# Altium PCB pcb_v1.PcbDoc (part 3 of 5)
Units mil, origin at the board's own origin, x right, y up, seen from the top; angles counter-clockwise.
Board outline 2527.56 x 5177.17 mil, 4 copper layers (L1 SIG, L2 SIG, L3 SIG, L4 SIG), stack 61.583 mil thick; 290 components, 207 nets, 1103 pads, 2427 vias.
Unrouted connection lines stored in the file: 255.
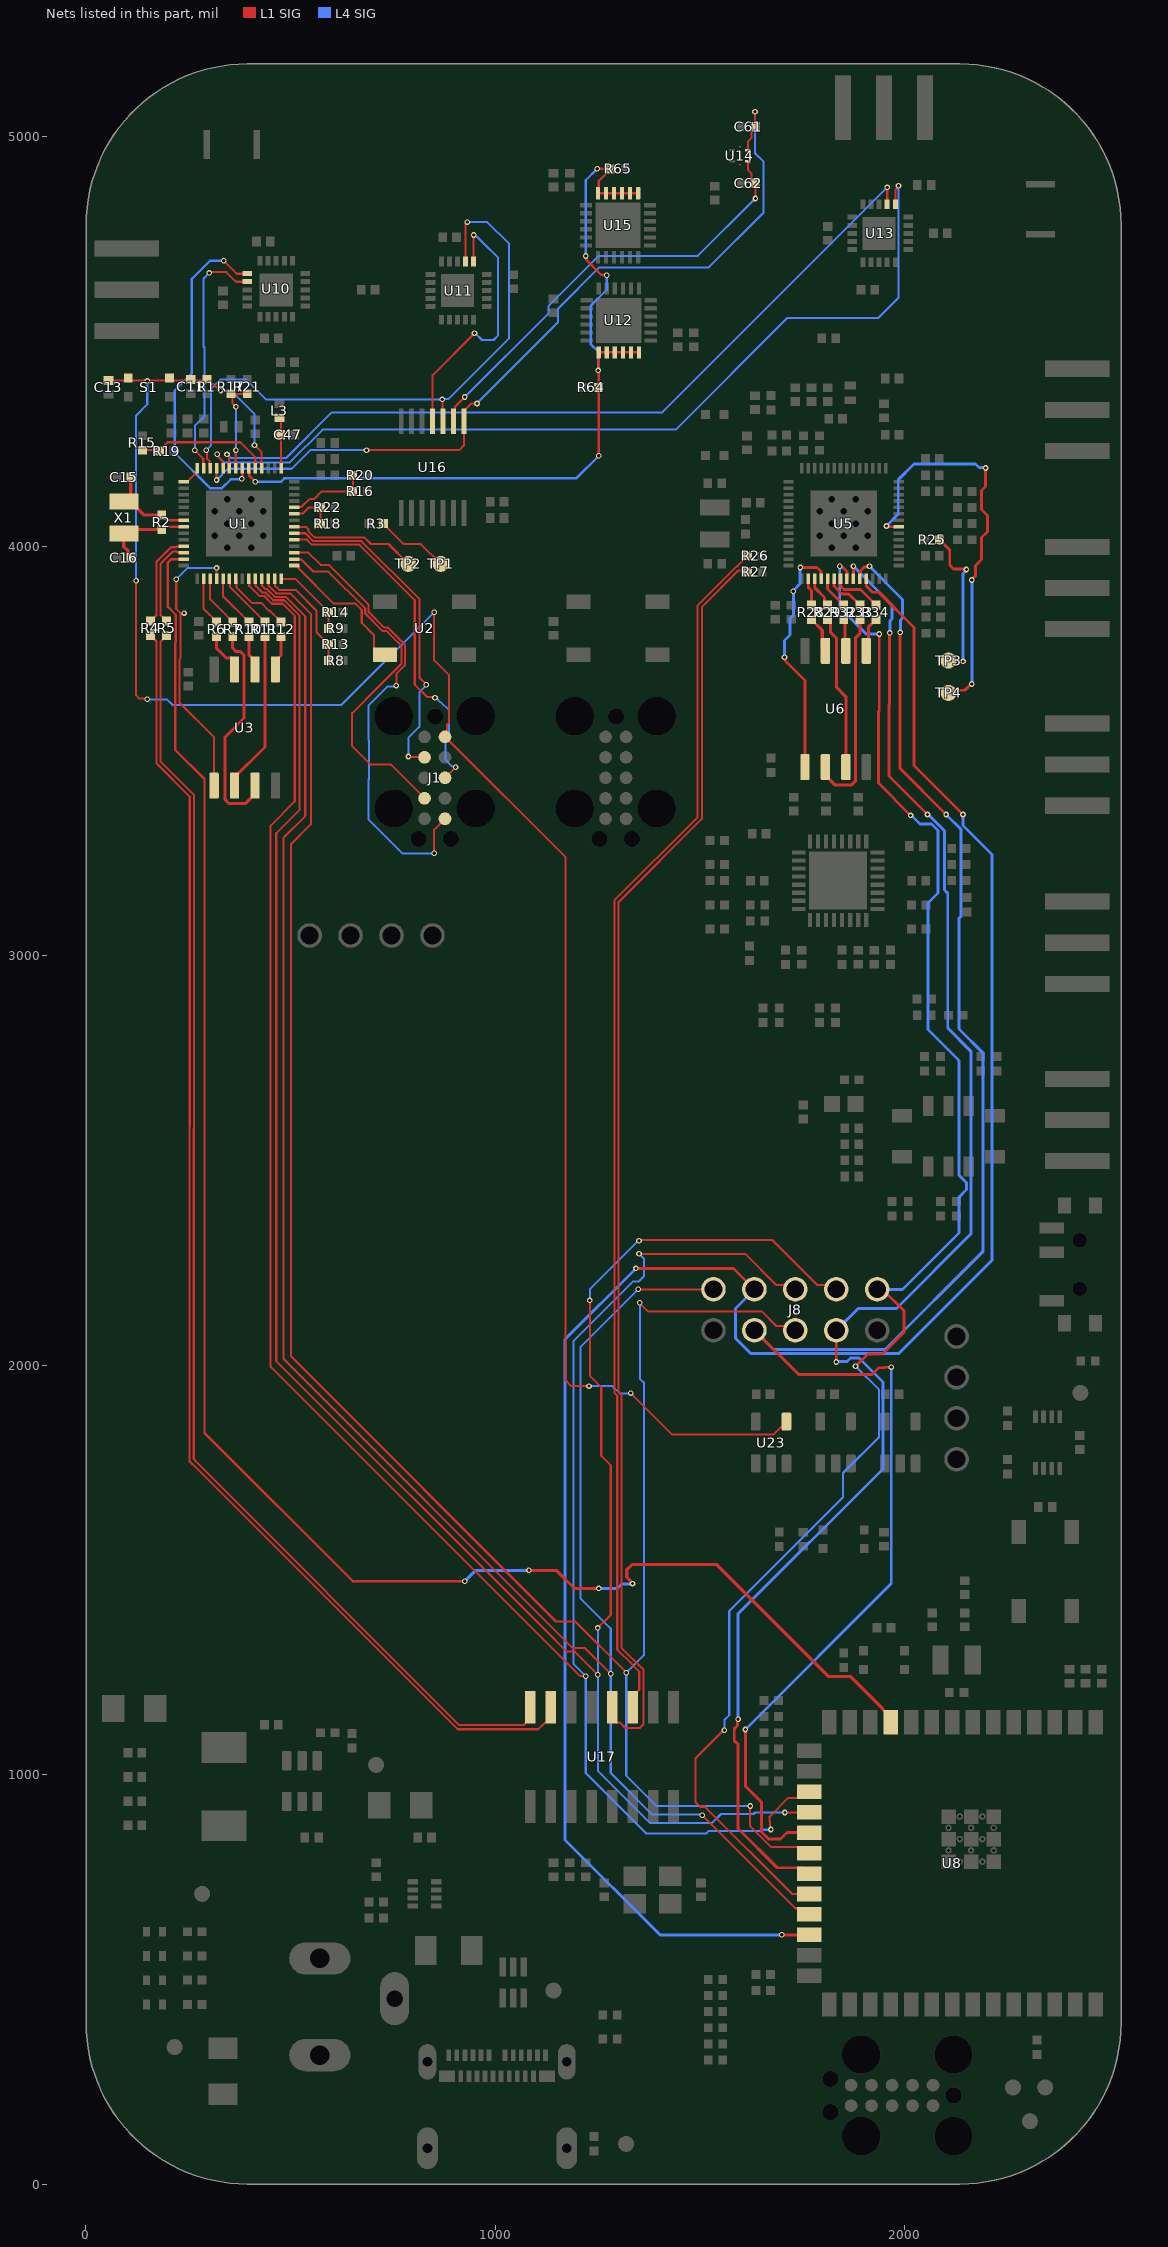
[diagram p5: the nets of this part, all layers, seen from the top]

## Via types
v1: diameter 13.78, hole 7.87, L1 SIG to L4 SIG, tented both sides, 2106 vias
v2: diameter 11.81, hole 7.87, L1 SIG to L4 SIG, 294 vias
v3: diameter 19.68, hole 13.78, L1 SIG to L4 SIG, tented both sides, 21 vias
v4: diameter 200, hole 122, L1 SIG to L4 SIG, 4 vias
v5: diameter 11.81, hole 7.87, L1 SIG to L4 SIG, tented both sides, 2 vias

## Nets (pads, with @x,y where several pads share a name; then routed paths per layer and width w, separated by ;. In a path a pad name is that pad's centre, name@x,y a point inside that pad or via, vN(x,y) a via of type N, cw(c..) or ccw(c..) an arc to the next point about the centre after c; other vN are vias at no path point) (continued)
ESPRX_SPI_MGMT_CLK: J8.3 U5.38 U8.19 | length 4335.9
  L1 SIG w7: v1(1610.24,1110.24) 1610.89,1109.58 1610.89,971.38 1649.61,932.67 1649.61,860.14 1667.32,842.42 1695.7,842.42 1711.74,858.46 U8.19@1766.14,858.46 ; J8.3@1632.28,2085.04 1740.56,1976.77 1919.26,1976.77 1935.4,1992.91 v1(1966.54,1995.14) ; U5.38@1889.76,3920.28 U5.38@1889.76,3920.28 1889.81,3937.78 1901.52,3949.49 1912.09,3949.49 v1(1913.39,3950.79) ; v1(1988.19,3789.37) 1988.26,3789.29 1988.26,3456.62 v1(2100.39,3344.49)
  L4 SIG w7: v1(1610.24,1110.24) 1966.54,1466.54 v1(1966.54,1995.14) ; J8.3@1632.28,2085.04 1678.78,2038.55 1951.54,2038.55 2190.94,2277.95 2190.94,2761.81 2131.98,2820.77 2131.98,3091.12 2137.24,3096.37 2137.24,3307.65 v1(2100.39,3344.49) ; v1(1913.39,3950.79) 1994.09,3870.08 1994.09,3824.26 1989.49,3819.65 1989.49,3790.67 v1(1988.19,3789.37)
ESPRX_SPI_MGMT_CS: J8.4 U5.39 U8.24 | length 5145.3
  L1 SIG w7: v1(1342.81,2236.22) 1581.1,2236.22 J8.4@1632.28,2185.04 ; v1(1698.82,608.78) 1765.83,608.78 U8.24@1766.14,608.46 ; U5.39@1905.51,3920.28 1905.56,3920.23 1905.56,3902.77 1921.02,3887.3 1935.87,3887.3 2021.65,3801.52 2021.65,3464.57 v1(2141.73,3344.49)
  L4 SIG w7: v1(1342.81,2236.22) 1169.95,2063.35 1169.95,840.59 1401.76,608.78 v1@1698.31,608.78 ; J8.4@1632.28,2185.04 1585.79,2138.55 1585.79,2065.78 1623.53,2028.05 1984.74,2028.05 2212.6,2255.91 2212.6,3247.13 2141.73,3318 v1(2141.73,3344.49)
ESPRX_SPI_MGMT_MISO: J8.7 U5.37 U8.21 | length 3897
  L1 SIG w7: v1(1592.52,1135.14) 1591.22,1133.84 1591.22,1120.06 1583.22,1112.06 1583.22,1082.78 1591.86,1074.15 1591.86,868.77 1687.95,772.68 1751.93,772.68 U8.21@1766.14,758.46 ; v1(1832.28,2007.66) J8.7@1832.28,2085.04 ; U5.37@1874.02,3920.28 v1(1874.02,3950.79) ; v1(1962.57,3788.11) 1962.52,3788.06 1962.52,3613.22 1960.63,3611.33 1960.63,3438.98 v1(2055.12,3344.49)
  L4 SIG w7: v1(1592.52,1135.14) 1592.52,1393.01 1946.21,1746.7 1946.21,1958.95 1887.62,2017.55 1867.17,2017.55 1858.58,2008.95 1833.58,2008.95 v1(1832.28,2007.66) ; J8.7@1832.28,2085.04 1885.79,2138.55 1979.1,2138.55 2160.81,2320.26 2160.81,2766.68 2104.33,2823.16 2104.33,3152.45 2096.46,3160.32 2096.46,3304.79 2056.76,3344.49 v1(2055.12,3344.49) ; v1(1874.02,3950.79) 1968.5,3856.3 1968.5,3822.3 1963.82,3817.61 1963.82,3789.36 v1(1962.57,3788.11)
ESPRX_SPI_MGMT_MOSI: J8.10 U5.36 U8.22 | length 4057.1
  L1 SIG w5: v1(1559.06,1108.27) 1556.78,1108.27 1488.48,1039.97 1488.48,932.91 1499.84,921.56 1511.52,921.56 1724.61,708.46 U8.22@1766.14,708.46
  L1 SIG w7: v1(1840.55,3950.79) 1841.85,3949.49 1846.52,3949.49 1858.22,3937.78 1858.22,3920.32 U5.36@1858.27,3920.28 ; v1(1879.17,1997.16) 1909.58,2027.56 1944.88,2027.56 1998.03,2080.71 1998.03,2131.89 1944.88,2185.04 J8.10@1932.28,2185.04 ; v1(1937.01,3785.43) 1937.01,3597.51 1935.04,3595.54 1935.04,3421.26 v1(2013.78,3342.52)
  L4 SIG w5: v1(1559.06,1108.27) 1559.06,1133.4 1570.87,1145.21 1570.87,1399.61 1848.72,1677.46 1848.72,1736.52 1936.71,1824.51 1936.71,1939.62 v1(1879.17,1997.16)
  L4 SIG w7: v1(1840.55,3950.79) 1840.55,3850.39 1905.51,3785.43 v1(1937.01,3785.43) ; J8.10@1932.28,2185.04 1994.09,2185.04 2131.89,2322.83 2131.89,2410.14 2150.31,2428.56 2150.31,2445.45 2131.89,2463.87 2131.89,2744.09 2056.38,2819.6 2056.38,3128.52 2080.7,3152.85 2080.7,3305.69 2064.97,3321.42 2036.71,3321.42 2015.61,3342.52 v1(2013.78,3342.52)
ESPRX_SPICLK: R32.1 U6.6 | length 78.8
  L1 SIG w7.5: R32.1@1850.39,3820.87 1853.05,3818.21 1853.05,3746.95 U6.6@1855.71,3744.29
ESPRX_SPICLK_R: R32.2 U5.33 | length 80.3
  L1 SIG w7: U5.33@1811.02,3920.28 1811.07,3920.23 1811.07,3895.63 R32.2@1850.39,3856.3
ESPRX_SPICS0: U5.32 U6.1 | length 596.8
  L1 SIG w7: v1(1705.77,3728.39) 1707.07,3727.09 1707.07,3720.56 1755.71,3671.92 1755.71,3460.94 U6.1@1755.71,3460.43 ; v1(1743.99,3947.83) 1785.18,3947.83 1795.23,3937.78 1795.23,3920.32 U5.32@1795.28,3920.28
  L4 SIG w7: v1(1705.77,3728.39) 1706.02,3728.64 1706.02,3769.81 1719.35,3783.14 1719.35,3823.18 1727.39,3831.22 1727.39,3891.6 1743.99,3908.2 v1(1743.99,3947.83)
  other v1: 1727.39,3889.76
ESPRX_SPID: R34.1 U6.5 | length 86.3
  L1 SIG w7.5: U6.5@1905.71,3744.29 1910.5,3749.08 1910.5,3802.23 R34.1@1929.13,3820.87
ESPRX_SPID_R: R34.2 U5.35 | length 123.3
  L1 SIG w7: U5.35@1842.52,3920.28 1842.56,3920.23 1842.56,3902.77 1851.41,3893.93 1891.51,3893.93 R34.2@1929.13,3856.3
ESPRX_SPIHD: R28.1 U6.7 | length 90.7
  L1 SIG w7.5: R28.1@1771.65,3820.87 1798.04,3794.48 1798.04,3751.96 U6.7@1805.71,3744.29
ESPRX_SPIHD_R: R28.2 U5.30 | length 67.2
  L1 SIG w7: U5.30@1763.78,3920.28 1763.82,3920.23 1763.82,3899.46 1771.65,3891.63 R28.2@1771.65,3856.3
ESPRX_SPIQ: R33.1 U6.2 | length 506.2
  L1 SIG w7.5: U6.2@1805.71,3460.43 1805.71,3440.16 1828.75,3417.12 1870.27,3417.12 1878.75,3425.6 1878.75,3775.21 1889.76,3786.22 R33.1@1889.76,3820.87
ESPRX_SPIQ_R: R33.2 U5.34 | length 99.7
  L1 SIG w7: U5.34@1826.77,3920.28 1826.82,3920.23 1826.82,3902.77 1846.16,3883.43 1862.64,3883.43 R33.2@1889.76,3856.3
ESPRX_SPIWP: R29.1 U6.3 | length 378.9
  L1 SIG w7.5: R29.1@1811.02,3820.87 1818.1,3813.79 1818.1,3789.78 1832.67,3775.21 1832.67,3655.32 1855.71,3632.28 U6.3@1855.71,3460.43
ESPRX_SPIWP_R: R29.2 U5.31 | length 77
  L1 SIG w7: U5.31@1779.53,3920.28 1779.57,3920.23 1779.57,3898.56 1803.7,3874.43 1803.7,3863.63 R29.2@1811.02,3856.3
ESPRX_UART0_RX: TP4.1 U5.49 | length 1009.2
  L1 SIG w7: v1(1954.72,4049.21) 1956.56,4049.21 1958.48,4047.29 1985.19,4047.29 U5.49@1985.24,4047.24 ; TP4.1@2106.3,3641.73 2112.49,3647.93 2145.97,3647.93 2161.43,3663.39 v1(2163.27,3663.39) ; v1(2163.27,3917.32) 2163.27,3919.16 2171.88,3927.76 2171.88,3952.21 2186.66,3967 2186.66,4020.78 2201.13,4035.25 2201.13,4074.99 2186.66,4089.46 2186.66,4135.74 2196.85,4145.93 v1(2196.85,4190.94)
  L4 SIG w7: v1@1954.72,4048.91 v1(1954.72,4049.21) 1983.63,4078.12 1983.63,4162.07 2022.35,4200.79 2171.94,4200.79 2180.49,4192.24 2195.55,4192.24 v1(2196.85,4190.94) ; v1(2163.27,3663.39) v1(2163.27,3917.32)
ESPRX_UART0_TX: R25.1 TP3.1 | length 381.4
  L1 SIG w7: R25.1@2084.65,4015.75 2109.46,3990.93 2109.46,3953.53 2118.78,3944.21 2148.61,3944.21 v1(2149.91,3942.91) ; TP3.1@2106.3,3720.47 2107.28,3719.49 2140.75,3719.49 v1(2141.73,3718.5)
  L4 SIG w7: v1(2141.73,3718.5) 2141.73,3932.91 2149.91,3941.08 v1(2149.91,3942.91)
ESPRX_USB_D_N: R26.2 U17.3 | length 2979.9
  L1 SIG w5.17: U17.3@1334.84,1164.31 1334.84,1191.31 1351.21,1207.68 1351.21,1251.62 1336.58,1266.25 1332.47,1270.37 1300.22,1302.61 1297.24,1305.59 1297.24,1925.25 1290.33,1932.16 1290.33,3134.82 1493.77,3338.26 1493.77,3855.22 1589.06,3950.52 1590.58,3950.52 1607.9,3967.84 1607.9,3968.14 R26.2@1616.14,3976.38
ESPRX_USB_D_P: R27.2 U17.4 | length 3105.1
  L1 SIG w5.17: U17.4@1284.84,1164.31 1284.84,1137.31 1295.26,1126.89 1304.47,1126.89 1317.51,1113.85 1352.17,1113.85 1361.38,1123.06 1361.38,1255.84 1307.41,1309.81 1307.41,1929.46 1300.5,1936.37 1300.5,3130.6 1503.94,3334.04 1503.94,3851.01 1593.28,3940.35 1612.8,3940.35 R27.2@1616.14,3937.01
ESPTX_1PPS_CH0_OUT: U1.14 U1.15 | length 50.9
  L1 SIG w5: U1.15@239.17,4157.48 247.64,4157.48 271.65,4181.5 U1.14@271.65,4189.96
ESPTX_1PPS_OUT: U1.27 U8.11 | length 4292.4
  L1 SIG w6: U1.27@239.17,3968.5 208.62,3968.5 199.83,3959.72 199.83,3852.04 219.3,3832.57 219.3,3765.85 218.06,3764.62 218.06,3502.41 289.37,3431.1 289.37,1834.65 651.57,1472.44 v1(925.2,1472.44)
  L1 SIG w7.5: v1(1081.62,1498.95) 1082.54,1498.03 1149.58,1498.03 1192.89,1454.72 v1(1252.26,1454.72) ; v1(1334.65,1466.54) 1334.65,1468.23 1320.55,1482.34 1320.55,1499.95 1333.36,1512.77 1540.38,1512.77 1813.79,1239.36 1867.63,1239.36 1944.69,1162.3 1944.69,1160.42 1965.35,1139.76 U8.11@1965.35,1127.95
  L4 SIG w7.5: v1(925.2,1472.44) 950.79,1498.03 1080.71,1498.03 v1(1081.62,1498.95) ; v1(1252.26,1454.72) 1297.76,1454.72 1308.37,1465.33 1333.44,1465.33 v1(1334.65,1466.54)
ESPTX_32K_N: C16.2 R2.1 U1.22 X1.2 | length 219.7
  L1 SIG w5.78: R2.1@191.93,4047.24 U1.22@239.17,4047.24
  L1 SIG w8: C16.2@109.45,3971.46 102.82,3978.09 102.82,3988.53 92.52,3998.83 X1.2@92.52,4030.51 102.36,4040.35 R2.1@185.04,4040.35 R2.1@191.93,4047.24
ESPTX_32K_P: C15.2 R2.2 U1.21 X1.1 | length 231.4
  L1 SIG w5.78: 197.83,4062.99 U1.21@239.17,4062.99
  L1 SIG w8: X1.1@92.52,4109.25 X1.1@93.76,4109.25 ; C15.2@109.45,4168.31 109.45,4124.94 X1.1@93.76,4109.25 ; 197.83,4062.99 R2.2@185.04,4075.79 141.73,4075.79 108.27,4109.25 X1.1@93.76,4109.25
ESPTX_GPIO0: R15.1 R19.2 U1.5 | length 328.1
  L1 SIG w5: R15.1@137.8,4234.25 177.17,4234.25 R19.2@179.13,4232.28 193.37,4246.52 193.37,4247.41 199.6,4253.64 376.92,4253.64 413.39,4217.18 U1.5@413.39,4189.96
ESPTX_GPIO3: R17.1 R21.2 U1.8 | length 226.3
  L1 SIG w5: v1(366.14,4340.55) 357.66,4349.04 357.66,4368.72 R17.1@354.33,4372.05 R21.2@393.7,4372.05
  L1 SIG w5.78: U1.8@366.14,4189.96 v1(366.14,4234.25)
  L4 SIG w5: v1(366.14,4234.25) v1(366.14,4340.55)
ESPTX_GPIO38: U1.43 U2.4 | length 353.2
  L1 SIG w5: U1.43@508.86,3952.76 517.32,3952.76 519.15,3950.93 519.15,3945.41 604.78,3859.78 657.93,3859.78 673.41,3844.3 673.41,3812.67 703.29,3782.8 703.29,3749.47 718.5,3734.25 U2.4@730.32,3734.25
ESPTX_GPIO45: R18.1 R22.2 U1.51 | length 109.9
  L1 SIG w5: U1.51@508.86,4078.74 509.9,4079.78 529.8,4079.78 544.51,4094.49 R22.2@572.83,4094.49 R18.1@572.83,4055.12
ESPTX_GPIO46: R16.1 R20.2 U1.52 | length 198.4
  L1 SIG w5: U1.52@508.86,4094.49 509.9,4095.53 525.95,4095.53 545.28,4114.86 556.88,4114.86 575.88,4133.86 R16.1@651.57,4133.86 R20.2@651.57,4173.23
ESPTX_ID0: R8.1 R13.2 U1.41 | length 278.2
  L1 SIG w5: U1.41@460.63,3920.28 461.67,3919.23 461.67,3903.18 471.52,3893.34 512.17,3893.34 562.99,3842.52 562.99,3789.37 R13.2@592.52,3759.84 R8.1@592.52,3720.47
ESPTX_ID1: R9.1 R14.2 U1.42 | length 189.4
  L1 SIG w5: U1.42@476.38,3920.28 510.83,3920.28 R14.2@592.52,3838.58 R9.1@592.52,3799.21
ESPTX_MTCK: J1.4 U1.44 | length 880.6
  L1 SIG w5: U1.44@508.86,3968.5 509.9,3967.46 525.95,3967.46 555.52,3937.89 591.85,3937.89 681.91,3847.82 681.91,3835.59 725.03,3792.47 734.01,3792.47 770.22,3756.27 770.22,3712.24 716.88,3658.9 649.9,3591.92 649.9,3511.52 694.24,3467.17 743.85,3467.17 J1.4@826.77,3384.25
ESPTX_MTDI: J1.8 U1.47 | length 864.5
  L1 SIG w5: U1.47@508.86,4015.75 539.82,4015.75 551.71,4003.85 667.27,4003.85 802.85,3868.27 802.85,3661.85 833.1,3631.6 850.68,3631.6 v1(852.36,3629.92) ; J1.8@876.77,3434.25 876.9,3434.25 902.51,3459.86 v1(902.65,3459.86)
  L4 SIG w5: v1(852.36,3629.92) 854.74,3629.92 865.42,3619.24 866.27,3619.24 886.76,3598.75 886.76,3542.85 877.99,3534.08 877.99,3478.19 894.64,3461.54 900.97,3461.54 v1(902.65,3459.86)
ESPTX_MTDO: J1.6 U1.45 | length 1139.7
  L1 SIG w5: U1.45@508.86,3984.25 543.03,3984.25 573.09,3954.19 593.05,3954.19 690.41,3856.83 690.41,3839.11 728.55,3800.97 737.53,3800.97 778.72,3759.79 778.72,3708.72 757.87,3687.88 v1(757.87,3659.45) ; v1(850.39,3250) 850.39,3307.87 J1.6@876.77,3334.25
  L4 SIG w5: v1(757.87,3659.45) 756.19,3657.77 737.27,3657.77 689.53,3610.03 689.53,3526.87 690.65,3525.75 690.65,3430.17 689.53,3429.05 689.53,3333.47 773.74,3249.26 849.65,3249.26 v1(850.39,3250)
ESPTX_MTMS: J1.2 U1.48 | length 821.5
  L1 SIG w5: U1.48@508.86,4031.5 536.09,4031.5 555.24,4012.35 672.69,4012.35 814.01,3871.03 814.01,3679.21 830.71,3662.52 v1(830.71,3661.42) ; v1(787.4,3486.22) 788.39,3485.24 825.79,3485.24 J1.2@826.77,3484.25
  L4 SIG w5: v1(787.4,3486.22) 787.4,3531.86 814.01,3558.47 814.01,3643.62 830.71,3660.31 v1(830.71,3661.42)
ESPTX_R_USB_D_N: R4.1 U1.25 | length 234
  L1 SIG w5.17: R4.1@157.48,3816.93 165.72,3825.17 166.02,3825.17 172.08,3831.23 172.08,3961.85 207.44,3997.21 220.22,3997.21 222.05,3999.04 238.21,3999.04 U1.25@239.17,4000
ESPTX_R_USB_D_P: R5.1 U1.26 | length 217.2
  L1 SIG w5.17: R5.1@196.85,3816.93 188.61,3825.17 188.31,3825.17 182.25,3831.23 182.25,3957.64 211.65,3987.04 220.22,3987.04 222.05,3985.21 238.21,3985.21 U1.26@239.17,3984.25
ESPTX_RF: C47.2 L3.1 U1.1 | length 125.4
  L1 SIG w5.78: L3.1@472.44,4313.7 476.38,4309.76 U1.1@476.38,4189.96
ESPTX_RF_SW1: U1.12 U11.17 U16.3 | length 1529.9
  L1 SIG w5: v1(293.46,4234.25) 295.14,4232.57 295.14,4214.01 302.11,4207.05 302.11,4191 U1.12@303.15,4189.96 ; v1(870.08,4358.27) 871.06,4357.28 871.06,4306.1 U16.3@872.05,4305.12 ; U11.17@927.18,4694.88 927.18,4785.04 931.1,4788.96 v1(931.1,4791.34)
  L4 SIG w5: v1(293.46,4234.25) 305.41,4246.2 305.41,4384.15 328.62,4407.36 390.02,4407.36 439.11,4358.27 v1(870.08,4358.27) 870.87,4359.06 884.65,4359.06 1033.46,4507.87 1033.46,4738.19 980.32,4791.34 v1(931.1,4791.34)
ESPTX_RF_SW1_N: U11.16 U16.4 | length 663
  L1 SIG w5: U16.4@846.46,4305.12 846.46,4417.32 v1(948.82,4519.69) ; U11.16@946.87,4694.88 v1(946.85,4759.84)
  L4 SIG w5: v1(946.85,4759.84) 949.23,4759.84 954.23,4754.84 955.79,4754.84 967.83,4742.8 1006.4,4704.23 1006.4,4514.8 995.04,4503.44 967.07,4503.44 950.83,4519.69 v1(948.82,4519.69)
ESPTX_RF_SW2: U1.13 U10.17 | length 605.5
  L1 SIG w5: v1(265.75,4234.25) 286.36,4213.64 286.36,4191 U1.13@287.4,4189.96 ; v1(301.18,4667.32) 302.85,4669 342.78,4669 366.09,4645.68 U10.17@393.7,4645.68
  L4 SIG w5: v1(265.75,4234.25) 265.75,4293.74 289.37,4317.36 289.37,4484.96 287.4,4486.93 287.4,4653.54 v1(301.18,4667.32)
ESPTX_RF_SW3: U1.9 U13.17 | length 1967.3
  L1 SIG w5: v1(344.49,4224.05) 344.49,4221.67 349.35,4216.81 U1.9@349.35,4189.96 ; U13.17@1956.7,4834.66 v1(1956.69,4875.98)
  L4 SIG w5: v1(344.49,4224.05) 345.26,4224.05 354.45,4214.86 488.48,4214.86 600.39,4326.77 1407.48,4326.77 v1(1956.69,4875.98)
ESPTX_RF_SW4: C61.2 U1.11 U14.6 U16.1 | length 2060.4
  L1 SIG w5: v1(318.9,4161.42) U1.11@318.9,4189.96 ; v1(685.04,4234.25) 911.42,4234.25 923.23,4246.06 U16.1@923.23,4305.12 923.23,4330.71 940.94,4348.43 v1(954.72,4348.43) ; U14.6@1616.34,4967.13 1616.34,4987.58 1625.73,4996.97 1625.73,5016.08 C61.2@1633.86,5024.21 v1(1633.86,5060.83)
  L4 SIG w5: v1(318.9,4161.42) 346.46,4188.98 502.18,4188.98 548.41,4235.21 659.69,4235.21 660.65,4234.25 v1(685.04,4234.25) ; v1(954.72,4348.43) 1152.67,4546.37 1152.67,4579.83 1253.64,4680.81 1521.28,4680.81 1654.04,4813.56 1654.04,4939.63 1633.86,4959.81 v1(1633.86,5060.83)
ESPTX_RF_SW4_N: C62.2 U14.4 U16.2 | length 1089.3
  L1 SIG w5: U16.2@897.64,4305.12 901.04,4308.52 901.04,4340.02 v1(925.2,4364.17) ; U14.4@1616.34,4939.57 1616.34,4919.11 1625.73,4909.72 1625.73,4894.55 C62.2@1633.86,4886.42 1634.65,4885.63 v1(1634.65,4849.02)
  L4 SIG w5: v1(925.2,4364.17) 1129.92,4568.9 1129.92,4586.61 1251.97,4708.66 1494.29,4708.66 v1(1634.65,4849.02)
ESPTX_RF_SW5: U1.10 U13.16 | length 2202.4
  L1 SIG w5: v1(320.71,4224.44) 322.39,4222.77 322.39,4218.72 333.6,4207.51 U1.10@333.6,4189.96 ; U13.16@1976.39,4834.66 1976.39,4869.68 1984.25,4877.55 v1(1984.25,4879.92)
  L4 SIG w5: v1(320.71,4224.44) 320.71,4222.07 322.59,4220.19 322.59,4218.52 336.46,4204.66 497.96,4204.66 577.72,4284.41 1439.93,4284.41 1712.6,4557.09 1935.04,4557.09 1984.25,4606.3 v1(1984.25,4879.92)
ESPTX_RF_SW6: U1.7 U10.16 | length 843.6
  L1 SIG w5.78: v1(336.61,4696.85) 368.1,4665.37 U10.16@393.7,4665.37 ; v1(380.24,4164.62) 381.24,4165.61 381.24,4189.31 U1.7@381.89,4189.96
  L4 SIG w5.78: v1(336.61,4696.85) 302.74,4696.85 258.67,4652.78 258.67,4422.05 216.54,4379.92 216.54,4227.93 302.83,4141.64 331.98,4141.64 353.43,4163.08 378.71,4163.08 v1(380.24,4164.62)
ESPTX_RF_SW7: R64.2 R65.2 U1.6 U12.19 U12.20 U12.21 U12.22 U12.23 U12.24 U15.19 U15.20 U15.21 U15.22 U15.23 U15.24 | length 2113.6
  L1 SIG w5.78: U1.6@397.64,4189.96 398.29,4189.31 398.29,4172.71 413.39,4157.61 v1(413.39,4157.39) ; v1(1220.47,4708.66) 1222,4707.13 1222,4698.76 1257.82,4662.95 1270.12,4662.95 v1(1271.65,4661.42) ; v1(1248.48,4921.63) 1281.13,4921.63 R65.2@1281.5,4921.26 1252.23,4891.99 1252.23,4863.84 U15.24@1250,4861.61 ; v1(1251.97,4220.47) R64.2@1251.97,4387.8 U12.19@1251.97,4473.03 U12.20@1271.65,4473.03 U12.21@1291.34,4473.03 U12.22@1311.02,4473.03 U12.23@1330.71,4473.03 U12.24@1350.39,4473.03 ; U15.24@1250,4861.61 U15.23@1269.68,4861.61 ; U15.24@1250,4861.61 U15.23@1269.68,4861.61 ; U15.23@1269.68,4861.61 U15.22@1289.37,4861.61 ; U15.23@1269.68,4861.61 U15.22@1289.37,4861.61 ; U15.22@1289.37,4861.61 U15.21@1309.06,4861.61 ; U15.22@1289.37,4861.61 U15.21@1309.06,4861.61 ; U15.21@1309.06,4861.61 U15.20@1328.74,4861.61 ; U15.21@1309.06,4861.61 U15.20@1328.74,4861.61 ; U15.20@1328.74,4861.61 U15.19@1348.43,4861.61 U15.20@1328.74,4861.61
  L4 SIG w5.78: v1(413.39,4157.39) 476.54,4157.39 484.6,4165.45 1196.95,4165.45 v1(1251.97,4220.47) ; v1(1220.47,4708.66) 1220.47,4893.7 v1@1248.03,4921.26 ; v1(1251.18,4429.13) 1251.18,4474.9 1232.28,4493.8 1232.28,4586.59 1271.65,4625.96 v1(1271.65,4661.42)
ESPTX_RST: C11.2 C13.2 J1.10 R1.1 S1.1 S1.3 U1.4 U23.4 | length 4768.7
  L1 SIG w5: C13.2@54.89,4404.72 103.12,4404.72 149.61,4404.72 203.51,4404.72 255.91,4404.72 292.52,4404.72 R1.1@295.28,4407.48 306.87,4395.88 310.54,4395.88 326.36,4380.06 v1(328.74,4380.06) ; v1(122.34,3915.65) 122.34,3635.53 130.21,3627.66 147.93,3627.66 v1(149.61,3625.98) ; v1(411.67,4246.32) 429.13,4228.85 U1.4@429.13,4189.96 ; v1(850.39,3838.58) 850.39,3721.17 886.76,3684.8 886.76,3569.76 881.75,3564.74 881.75,3539.23 J1.10@876.77,3534.25 1171.26,3239.76 1171.26,1963.01 1185.45,1948.82 v1(1228.35,1948.82) ; v1(1330.18,1931.63) 1431.64,1830.18 1678.6,1830.18 U23.4@1710.63,1862.2
  L4 SIG w5: v1(122.34,3915.65) 122.34,4319.06 149.61,4346.32 v1(149.61,4403.54) ; v1(149.61,3625.98) 197.63,3625.98 211.6,3612.02 623.83,3612.02 v1(850.39,3838.58) ; v1(328.74,4380.06) 330.31,4378.48 355.63,4378.48 411.67,4322.44 v1(411.67,4246.32) ; v1(1228.35,1948.82) 1285.29,1948.82 1303.01,1931.1 1329.65,1931.1 v1(1330.18,1931.63)
ESPTX_SPI_MGMT_CLK: J8.2 U1.39 U8.23 | length 5188.3
  L1 SIG w5: U1.39@429.13,3920.28 430.18,3919.23 430.18,3903.18 437.97,3895.39 441.7,3895.39 460.75,3876.34 487.39,3876.34 535.43,3828.29 535.43,3340.55 482.28,3287.4 482.28,2015.75 1189.02,1309.01 1218.55,1309.01 v1(1281.5,1246.06) ; v1(1348.43,2185.04) J8.2@1532.28,2185.04 ; v1(1504.69,900.95) 1731.97,673.68 1750.93,673.68 U8.23@1766.14,658.46
  L4 SIG w5: v1(1348.43,2185.04) 1207.27,2043.88 1207.27,1430.53 1281.5,1356.3 v1(1281.5,1246.06) 1281.5,1003.94 1383.27,902.17 1503.48,902.17 v1(1504.69,900.95)
ESPTX_SPI_MGMT_CS: J8.5 U1.40 U8.20 | length 5258.2
  L1 SIG w5: U1.40@444.88,3920.28 445.93,3919.23 445.93,3903.18 464.27,3884.84 499.02,3884.84 549.21,3834.65 549.21,3320.87 500.57,3272.22 500.57,2021.29 1147.84,1374.02 1194.88,1374.02 v1@1318.9,1250 ; v1@1352.36,2151.57 1373.41,2130.53 1651.13,2130.53 1686.1,2095.56 1721.76,2095.56 J8.5@1732.28,2085.04 ; v1(1622.05,923.23) 1622.05,874.26 1672.63,823.68 1750.93,823.68 U8.20@1766.14,808.46
  L4 SIG w5: v1(1352.36,2152.09) 1352.36,1966.91 1362.2,1957.07 1362.2,1291.55 v1(1319.3,1248.64) 1319.3,997.63 1393.7,923.23 v1(1622.05,923.23)
ESPTX_SPI_MGMT_MISO: J8.6 U1.37 U8.17 | length 5554.4
  L1 SIG w5: U1.37@397.64,3920.28 398.68,3919.23 398.68,3903.18 423.48,3878.39 434.66,3878.39 453.71,3859.34 480.35,3859.34 509.84,3829.84 509.84,3376.54 450.79,3317.48 450.79,1996.06 1205.9,1240.95 1219.68,1240.95 v1(1220.47,1240.16) ; v1@1350.39,2271.65 1610,2271.65 1686.1,2195.56 1721.76,2195.56 J8.6@1732.28,2185.04 ; v1(1672.53,866.05) 1670.85,867.73 1670.85,885.11 1669.29,886.67 1669.29,897.5 1715.04,943.25 1750.93,943.25 U8.17@1766.14,958.46
  L4 SIG w5: v1(1350.39,2272.16) 1362.2,2260.35 1362.2,2216.54 1350.39,2204.72 1336.61,2204.72 1190.94,2059.06 1190.94,1269.68 v1(1220.47,1240.16) 1220.47,1003.94 1368.11,856.3 1514.26,856.3 1520.77,862.81 1645.64,862.81 1648.14,865.31 1671.79,865.31 v1(1672.53,866.05)
ESPTX_SPI_MGMT_MOSI: J8.8 U1.38 U8.18 | length 5592.9
  L1 SIG w5: U1.38@413.39,3920.28 414.43,3919.23 414.43,3903.18 430.73,3886.89 438.18,3886.89 457.23,3867.84 483.87,3867.84 521.65,3830.05 521.65,3356.3 464.57,3299.21 464.57,2009.84 1117.48,1356.93 1118.11,1356.93 1174.53,1300.51 1193.58,1300.51 v1(1250,1244.09) ; v1(1230.32,2157.99) 1230.32,1974.27 1258.24,1946.35 1258.24,1778.36 1281.5,1755.1 1281.5,1389.76 v1(1250,1358.27) ; v1(1350.3,2303.75) 1351.67,2305.12 1676.54,2305.12 1786.1,2195.56 1821.76,2195.56 J8.8@1832.28,2185.04 ; v1(1706.69,907.48) 1765.16,907.48 U8.18@1766.14,908.46
  L4 SIG w5: v1(1230.32,2157.99) 1230.32,2185.14 1348.92,2303.75 v1(1350.3,2303.75) ; v1(1250,1358.27) v1(1250,1244.09) 1250,1009.84 1378.28,881.56 1528.34,881.56 1550.61,903.84 1630.08,903.84 1633.72,907.48 v1(1706.69,907.48)
ESPTX_SPICLK: R10.1 U3.6 | length 86.8
  L1 SIG w7.5: R10.1@397.64,3779.53 397.64,3734.45 412.8,3719.29 U3.6@412.8,3699.02
ESPTX_SPICLK_R: R10.2 U1.33 | length 131.4
  L1 SIG w5: U1.33@334.65,3920.28 334.65,3877.95 R10.2@397.64,3814.96
ESPTX_SPICS0: U1.32 U3.1 | length 690.1
  L1 SIG w5: v1(220.47,3919.29) 220.47,3846.86 230.31,3837.02 230.31,3834.65 230.31,3726.47 227.81,3723.97 227.81,3618.18 312.8,3533.2 U3.1@312.8,3415.16 ; 230.31,3836.39 v1(239.58,3836.39) ; U1.32@318.9,3920.28 v1(318.9,3946.85)
  L4 SIG w5: v1(220.47,3919.29) 248.03,3946.85 v1(318.9,3946.85)
ESPTX_SPID: R12.1 U3.5 | length 86.1
  L1 SIG w7.5: U3.5@462.8,3699.02 462.8,3719.29 476.38,3732.87 R12.1@476.38,3779.53
ESPTX_SPID_R: R12.2 U1.35 | length 165.4
  L1 SIG w5: U1.35@366.14,3920.28 367.19,3919.23 367.19,3899.49 405.28,3861.39 427.62,3861.39 446.67,3842.34 449,3842.34 R12.2@476.38,3814.96
ESPTX_SPIHD: R6.1 U3.7 | length 106
  L1 SIG w7.5: R6.1@318.9,3779.53 318.9,3750.79 342.73,3726.96 355.13,3726.96 362.8,3719.29 U3.7@362.8,3699.02
ESPTX_SPIHD_R: R6.2 U1.30 | length 118.4
  L1 SIG w5: U1.30@287.4,3920.28 287.4,3846.46 R6.2@318.9,3814.96
ESPTX_SPIQ: R11.1 U3.2 | length 395.1
  L1 SIG w7.5: U3.2@362.8,3415.16 362.8,3435.43 437.01,3509.65 R11.1@437.01,3779.53
ESPTX_SPIQ_R: R11.2 U1.34 | length 141.2
  L1 SIG w5: U1.34@350.39,3920.28 351.44,3919.23 351.44,3900.53 R11.2@437.01,3814.96
ESPTX_SPIWP: R7.1 U3.3 | length 542.1
  L1 SIG w7.5: R7.1@358.27,3779.53 358.27,3751.12 367.05,3742.33 377.36,3742.33 385.84,3733.85 385.84,3580.13 339.75,3534.05 339.75,3380.32 348.24,3371.84 389.75,3371.84 412.8,3394.88 U3.3@412.8,3415.16
ESPTX_SPIWP_R: R7.2 U1.31 | length 128.1
  L1 SIG w5: U1.31@303.15,3920.28 303.15,3870.08 R7.2@358.27,3814.96
ESPTX_UART0_RX: TP2.1 U1.49 | length 318.9
  L1 SIG w5: U1.49@508.86,4047.24 537.28,4047.24 543.13,4041.39 543.13,4036.47 558.76,4020.85 680.37,4020.85 695.96,4005.26 738.84,4005.26 TP2.1@787.4,3956.69
ESPTX_UART0_TX: R3.1 TP1.1 | length 180.5
  L1 SIG w5: R3.1@726.38,4055.12 776.47,4005.03 817.8,4005.03 TP1.1@866.14,3956.69
ESPTX_USB_D_N: R4.2 U17.7 | length 3238.4
  L1 SIG w5.17: R4.2@157.48,3781.5 165.72,3773.25 166.02,3773.25 172.08,3767.2 172.08,3469.67 253.4,3388.35 253.4,2582.56 252.89,2582.04 252.89,1764.83 258.86,1758.85 259.49,1758.85 907.68,1110.66 1104.76,1110.66 1120.98,1126.89 1124.43,1126.89 1131.64,1134.11 U17.7@1131.64,1156.29
ESPTX_USB_D_P: R5.2 U17.8 | length 3176.3
  L1 SIG w5.17: R5.2@196.85,3781.5 188.61,3773.25 188.31,3773.25 182.25,3767.2 182.25,3473.88 263.57,3392.56 263.57,2578.35 263.06,2577.83 263.06,1770.3 266.68,1766.67 266.68,1766.05 911.89,1120.84 1068.37,1120.84 1084.84,1137.31 U17.8@1084.84,1164.31